# Altium PCB icaRUSv0.2.PcbDoc (part 2 of 2) (continued)
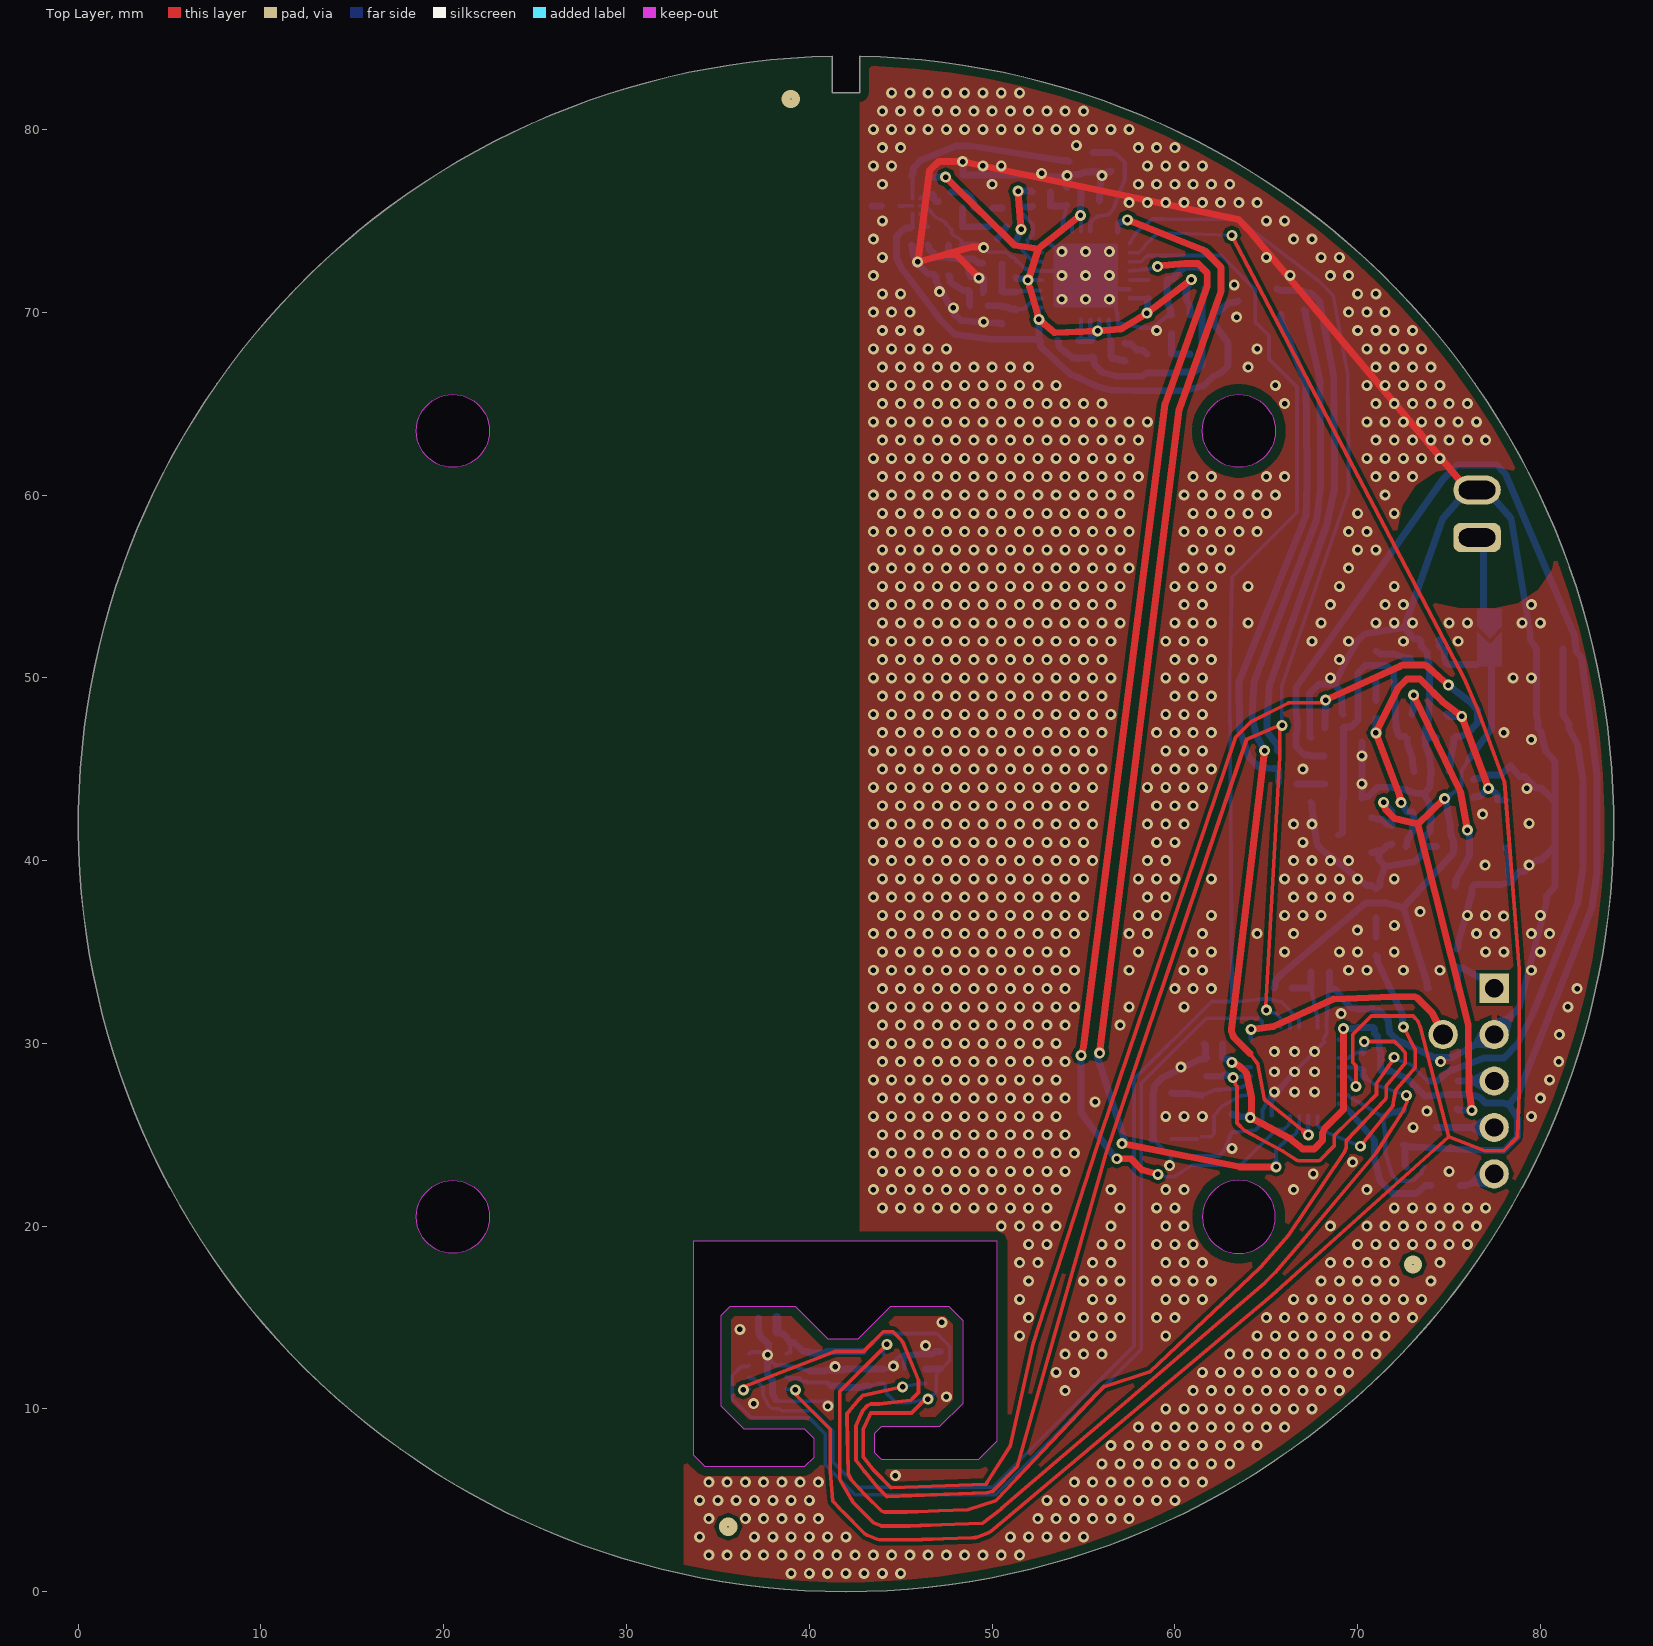
[diagram p0: Top Layer view]
## Nets (pads, with @x,y where several pads share a name; then routed paths per layer and width w, separated by ;. In a path a pad name is that pad's centre, name@x,y a point inside that pad or via, vN(x,y) a via of type N, cw(c..) or ccw(c..) an arc to the next point about the centre after c; other vN are vias at no path point) (continued)
  Bottom Layer w0.2: DD1.26@67.798,26.048 67.798,25.516 68.091,25.223 v1(70.145,24.372)
  Bottom Layer w0.381: R6.2@71,34.806 71.085,34.746 71.085,34.477 72.415,31.666 72.42,31.654 72.459,31.615 72.459,30.938 v1(72.501,30.896)
NetC17_2: C17.2 DA1.5 ZQ1.4 | length 2.1
  Bottom Layer w0.381: C17.2@59.817,68.842 59.817,68.782 59.817,68.592 59.817,68.125 59.817,67.934 ZQ1.4@59.817,67.725 60.102,67.708 60.292,67.708 60.633,67.708 60.824,67.708 DA1.5@60.833,67.691
NetC24_1: C24.1 ZQ1.3 | length 1.4
  Bottom Layer w0.381: C24.1@57.277,68.318 57.336,68.258 57.527,68.258 57.606,68.258 57.717,68.147 57.801,68.046 57.913,67.934 57.992,67.934 58.182,67.934 ZQ1.3@58.467,67.725
NetC24_2: C24.2 D1.18 R2.1 R3.2 | length 3
  Bottom Layer w0.229: D1.18@56.368,69.609 56.379,69.598 56.379,69.322 56.388,69.312 56.388,68.572 R2.1@56.507,68.453
  Bottom Layer w0.381: R2.1@56.507,68.453 56.507,68.368 56.507,68.178 56.507,67.839 56.507,67.649 R3.2@56.507,67.564 56.567,67.479 56.757,67.479 56.836,67.479 56.948,67.378 57.027,67.378 57.217,67.378 C24.2@57.277,67.318
NetC25_2: C25.2 D1.13 | length 1
  Bottom Layer w0.229: D1.13@57.518,71.759 57.868,71.759 58.305,71.759 58.419,71.759 C25.2@58.555,71.755
NetC27_1: C27.1 C31.2 D1.27 L4.1 L9.1 | length 3.7
  Bottom Layer w0.22: C27.1@51.558,71.148 52.23,71.148 52.276,71.194 D1.27@52.652,71.194
  Bottom Layer w0.229: C27.1@51.308,71.112 51.444,71.148 C27.1@51.558,71.148
  Bottom Layer w0.381: L9.1@50.538,72.644 L4.1@50.538,71.12 50.598,71.116 51.248,71.116 C27.1@51.308,71.112
NetC27_2: C27.2 C30.1 D1.26 L5.2 | length 3.3
  Bottom Layer w0.229: C27.2@51.308,70.112 51.37,70.174 51.759,70.174 52.054,70.469 52.054,70.478 52.274,70.698 52.381,70.698 52.431,70.748 52.707,70.748 D1.26@52.718,70.759
  Bottom Layer w0.381: C30.1@49.776,70.358 49.836,70.354 50.026,70.354 50.296,70.354 50.487,70.354 L5.2@50.546,70.35 50.606,70.29 50.796,70.29 50.873,70.285 50.981,70.177 51.058,70.172 51.248,70.172 C27.2@51.308,70.112
NetC29_1: C29.1 D1.31 L6.1 | length 4
  Bottom Layer w0.2: 51.943,73.956 51.943,73.666 52.326,73.283 52.35,73.269 D1.31@52.368,73.259
  Bottom Layer w0.229: C29.1@51.554,75.692 51.614,75.556 51.614,75.442 52.241,74.807 52.241,74.263 51.943,73.956 ; D1.31@52.368,73.259 D1.31@52.718,73.259
  Bottom Layer w0.381: C29.1@51.554,75.692 51.614,75.752 51.804,75.752 51.947,75.76 52.138,75.76 L6.1@52.197,75.819
NetC29_2: C29.2 L8.1 | length 0.5
  Bottom Layer w0.381: L8.1@50.03,75.692 50.09,75.692 50.28,75.692 50.304,75.692 50.494,75.692 C29.2@50.554,75.692
NetC30_2: C30.2 C33.1 L10.2 | length 2.4
  Bottom Layer w0.381: C33.1@47.625,72.017 47.685,71.957 47.685,71.767 47.685,71.688 47.796,71.576 48.439,71.188 48.518,71.188 48.708,71.188 48.768,71.128 48.772,71.068 48.772,70.878 48.772,70.608 48.772,70.418 C30.2@48.776,70.358
NetC32_1: C32.1 D1.30 L7.2 | length 6.9
  Top Layer w0.381: v1@51.322,76.569 51.439,76.36 v1@51.522,76.585 ; v1(51.418,76.623) v1(51.583,74.535) ; v1@51.48,74.573 51.563,74.798 v1@51.679,74.588
  Bottom Layer w0.2: C32.1@51.36,73.91 51.36,73.8 51.36,73.718 51.543,73.5 52.075,72.937 52.193,72.82 52.275,72.82 52.432,72.82 52.482,72.77 D1.30@52.707,72.77
  Bottom Layer w0.229: D1.30@52.707,72.77 D1.30@52.718,72.759
  Bottom Layer w0.381: C32.1@51.36,73.989 51.471,74.248 51.471,74.255 v1(51.583,74.535) ; v1(51.418,76.623) 51.947,76.623 52.138,76.623 L7.2@52.197,76.581 ; v1@51.464,76.523 51.682,76.623 v1@51.464,76.723
NetC32_2: C32.2 L11.1 | length 0.9
  Bottom Layer w0.2: C32.2@50.36,73.91 C32.2@50.36,73.989
  Bottom Layer w0.381: C32.2@50.292,74.041 50.621,74.37 50.621,74.505 L11.1@50.792,74.676
NetC33_2: C33.2 C35.2 C38.1 C40.1 L9.2 | length 4.3
  Bottom Layer w0.2: L9.2@49.478,72.704 L9.2@49.538,72.644
  Bottom Layer w0.381: C40.1@46.482,73.668 46.542,73.608 46.542,73.418 46.652,73.362 46.693,73.323 46.803,73.267 46.803,73.077 C38.1@46.863,73.017 46.922,73.017 47.113,73.017 47.375,73.017 47.566,73.017 C33.2@47.625,73.017 ; C35.2@47.625,73.668 47.625,73.608 47.625,73.418 47.625,73.267 47.625,73.077 C33.2@47.625,73.017 ; L9.2@49.478,72.704 49.288,72.704 49.216,72.721 49.176,72.76 49.07,72.842 48.974,72.902 48.111,72.902 47.954,72.957 47.875,72.957 47.685,72.957 C33.2@47.625,73.017
NetC34_2: C34.2 L8.2 L12.1 | length 1.9
  Bottom Layer w0.381: L12.1@47.744,76.581 47.748,76.585 48.383,76.585 C34.2@48.387,76.589 ; C34.2@48.387,76.581 48.438,76.53 48.581,76.53 48.789,76.322 48.83,76.279 48.854,76.235 48.97,76.021 48.97,75.942 48.97,75.752 L8.2@49.03,75.692
NetC36_1: C36.1 C37.1 L11.2 L13.2 | length 2.4
  Bottom Layer w0.381: C37.1@48.379,75.692 48.383,75.633 48.383,75.442 48.383,74.926 48.383,74.735 L13.2@48.387,74.676 48.446,74.676 48.637,74.676 48.899,74.676 49.09,74.676 C36.1@49.149,74.676 49.208,74.676 49.399,74.676 49.542,74.676 49.732,74.676 L11.2@49.792,74.676
NetC37_2: C37.2 DA2.1 L12.2 | length 1.3
  Bottom Layer w0.2: DA2.1@46.047,76.219 46.259,76.431 46.594,76.431 46.609,76.446 L12.2@46.609,76.581
  Bottom Layer w0.381: L12.2@46.744,76.454 46.804,76.395 46.804,76.204 46.854,76.146 46.936,76.064 ; C37.2@47.052,76.064 47.072,76.081
NetC40_2: C40.2 DA2.3 | length 0.9
  Bottom Layer w0.2: DA2.3@46.047,75.419 46.047,75.366 46.24,75.17
  Bottom Layer w0.229: 46.24,75.17 46.355,75.055 46.355,74.795 C40.2@46.482,74.668
NetC46_1: C46.1 DA2.5 | length 0.7
  Bottom Layer w0.2: 45.2,75.819 45.547,75.819 DA2.5@45.647,75.819
  Bottom Layer w0.229: C46.1@44.95,75.819 45.086,75.819 45.2,75.819
NetC46_2: C46.2 C58.1 | length 0.6
  Bottom Layer w0.381: C58.1@43.434,75.819 C46.2@43.815,75.819 ; C46.2@43.89,75.819 C46.2@43.815,75.819 ; C46.2@43.95,75.819 C46.2@43.815,75.819
NetC48_1: C48.1 R11.2 VT2.1 | length 28.1
  Bottom Layer w0.381: VT2.1@65.591,71.262 65.801,71.179 65.991,71.179 66.781,71.179 66.971,71.179 R11.2@67.056,71.12 67.141,71.061 67.331,71.061 67.41,71.061 67.568,70.941 67.903,70.607 68.691,66.479 68.739,61.806 68.739,60.331 68.294,58.335 65.205,49.717 65.184,49.631 65.039,47.737 65.039,47.054 65.599,46.31 65.599,46.216 65.599,46.026 C48.1@65.659,45.966
NetC48_2: C48.2 R12.2 VT2.2 | length 27.8
  Bottom Layer w0.381: R12.2@65.667,44.281 65.667,44.906 C48.2@65.659,44.966 65.599,45.026 65.33,45.026 64.542,45.15 64.1,45.592 64.056,45.636 64.032,45.671 63.545,47.116 63.525,47.174 63.5,49.75 63.529,49.82 67.167,58.851 67.215,60.719 67.215,61.432 67.167,66.106 65.801,69.608 VT2.2@65.801,69.878
NetC56_2: C56.2 DD1.15 R1.1 R7.2 | length 4.1
  Bottom Layer w0.229: R7.2@67.445,33.02 67.505,32.859 67.505,32.745 67.798,31.38 67.798,31.173 DD1.15@67.798,30.848
  Bottom Layer w0.381: R1.1@66.413,33.02 66.473,33.02 66.663,33.02 67.195,33.02 67.385,33.02 R7.2@67.445,33.02 67.445,33.105 67.445,33.295 67.445,33.659 67.445,33.85 C56.2@67.445,33.909
NetC57_2: C57.2 VD1.1 X1.1 | length 3.6
  Bottom Layer w0.381: VD1.1@75.476,33.02 75.457,33.039 75.457,33.23 75.457,33.921 75.457,34.111 C57.2@75.438,34.171 75.497,34.111 75.688,34.111 75.767,34.111 76.591,33.63 76.67,33.63 76.86,33.63 X1.1@77.47,33.02
NetGB1_1: GB1.1 SB1.1 | length 4.6
  Bottom Layer w0.381: GB1.1@76.529,57.675 76.873,57.065 76.873,56.875 76.873,53.865 76.873,53.675 SB1.1@77.216,53.34
NetHL1_1: HL1.1 R6.1 | length 1.1
  Bottom Layer w0.381: R6.1@71,35.806 71,35.866 71,36.056 71,36.517 71,36.708 HL1.1@71,36.867
NetHL2_1: HL2.1 R4.2 | length 1.1
  Bottom Layer w0.381: R4.2@71,48.76 71,48.82 71,49.01 71,49.523 71,49.713 HL2.1@71,49.873
NetHL2_2: HL2.2 U3.1 | length 2.3
  Bottom Layer w0.381: HL2.2@71,51.473 71.21,51.313 71.4,51.313 71.93,51.313 72.585,51.088 72.664,51.088 72.854,51.088 U3.1@72.964,50.778
NetR5_1: R5.1 U3.5 | length 14.3
  Top Layer w0.381: v1@72.987,48.972 73.172,48.819 v1@73.167,49.059 ; v1(73.057,49.057) 75.624,43.751 v1(76.003,41.661) ; v1@75.896,41.688 75.956,41.921 v1@76.093,41.724
  Bottom Layer w0.381: v1@72.957,49.011 73.057,48.793 v1@73.157,49.011 ; U3.5@72.964,48.028 73.057,48.338 73.057,48.528 v1(73.057,49.057) ; R5.1@75.319,38.608 75.379,38.693 75.379,38.883 75.379,38.962 76.125,40.28 76.125,40.754 76.125,41.254 v1(76.003,41.661) ; v1@75.92,41.588 76.078,41.408 v1@76.112,41.645
NetR13_1: R13.1 VT3.3 X1.4 | length 5.4
  Bottom Layer w0.381: VT3.3@74.306,25.4 74.715,25.404 74.906,25.404 75.163,25.404 75.353,25.404 R13.1@75.438,25.408 75.523,25.4 75.713,25.4 X1.4@77.47,25.4 ; X1.4@77.174,24.867 76.213,25.4 X1.4@77.174,25.933
NetVD2_2: VD2.2 X1.3 | length 4.2
  Bottom Layer w0.381: VD2.2@75.476,27.94 75.751,27.94 X1.3@77.47,27.94 ; X1.3@77.174,27.407 76.213,27.94 X1.3@77.174,28.473
NetVD3_2: VD3.2 X1.5 | length 4.2
  Bottom Layer w0.381: VD3.2@75.603,22.225 75.878,22.225 75.957,22.244 X1.5@77.47,22.86 ; X1.5@76.995,23.242 76.306,22.386 X1.5@77.397,22.255
NRST: C39.1 DD1.4 R9.2 SW1.2_1 SW1.2_2 VD2.1 | length 48.6
  Top Layer w0.2: v1(63.183,28.128) 63.183,28.069 63.295,27.956 63.295,27.744 63.397,27.643 63.397,25.643 63.822,25.218 65.891,24.108 66.696,23.597 66.75,23.574 67.865,23.574 67.919,23.597 68.704,24.381 68.726,24.435 68.726,24.93 68.748,24.984 69.533,25.769 70.356,26.529 71.031,27.204 71.031,27.8 71.973,29.159 72.136,29.321 72.055,29.24 v1(71.989,29.24)
  Bottom Layer w0.2: R9.2@62.696,28.262 R9.2@62.857,28.262 ; v1(71.989,29.24) 72.009,29.24 72.136,29.367 71.966,29.198 72.927,28.823 73.701,28.05 73.766,28.05 VD2.1@73.876,27.94 VD2.1@73.914,27.94
  Bottom Layer w0.229: v1(63.183,28.128) 63.33,28.122 63.347,28.126 63.616,28.198 DD1.4@64.148,28.198
  Bottom Layer w0.381: C39.1@61.722,28.202 R9.2@62.611,28.202 R9.2@62.696,28.262 ; R9.2@62.857,28.262 v1(63.183,28.128) ; VD2.1@73.914,27.94 74.333,27.94 74.957,28.446 75.052,28.54 75.179,28.54 75.244,28.565 76.944,29.21 77.996,29.21 78.74,29.954 79.594,31.657 79.604,31.679 82.021,37.638 82.321,39.613 82.321,44.387 82.021,46.362 81.559,47.205 81.559,47.474 81.225,47.984 SW1.2_1@81.225,51.584
OSC32_IN: C49.1 DD1.2 ZQ2.1 | length 5.5
  Bottom Layer w0.203: C49.1@59.809,24.765 ZQ2.1@61.214,24.765 ; ZQ2.1@61.468,24.892 61.979,24.892 62.141,25.055 62.141,26.031 62.58,26.556 62.604,26.585 63.572,27.114 63.608,27.119 DD1.2@64.148,27.198
OSC32_OUT: C50.1 DD1.3 ZQ2.3 | length 4.5
  Bottom Layer w0.229: ZQ2.3@61.468,27.158 62.254,27.467 62.368,27.467 62.537,27.467 62.774,27.497 63.148,27.51 63.15,27.511 ccw(c63.092,29.02) 63.822,27.698 DD1.3@64.148,27.698
  Bottom Layer w0.381: C50.1@59.809,27.305 59.869,27.246 60.059,27.246 60.568,27.246 60.758,27.246 ZQ2.3@61.468,27.158
RX_EN: C26.2 D1.5 VT1.1 | length 6.6
  Bottom Layer w0.229: D1.5@55.368,74.409 55.368,74.759 55.384,74.908 55.594,75.118 55.788,75.254 56.327,75.328 56.617,75.618 57.26,77.277 57.26,77.687 57.26,78.187 56.97,78.477 56.765,78.672 56.651,78.672 C26.2@56.515,78.732
  Bottom Layer w0.381: VT1.1@55.514,78.732 55.624,78.732 55.814,78.732 56.265,78.732 56.456,78.732 C26.2@56.515,78.732
RX_NEN: DA2.6 R10.1 VT1.3 | length 10.6
  Bottom Layer w0.2: DA2.6@45.647,76.219 45.647,76.319 45.647,77.195
  Bottom Layer w0.229: R10.1@45.601,77.47 45.647,77.309 45.647,77.195
  Bottom Layer w0.381: R10.1@45.601,77.47 45.661,77.555 45.661,77.745 45.661,77.824 45.779,77.982 46.114,78.317 48.057,79.105 48.779,79.105 53.835,78.291 53.914,78.291 54.104,78.291 VT1.3@54.214,78.232
SPI1_BME_SEL: DD1.9 U1.2 | length 54
  Bottom Layer w0.203: U1.2@36.694,12.39 36.621,12.317 36.294,12.317 35.789,11.811 35.789,10.566 36.855,9.5 40.004,9.5 40.869,8.635 40.869,6.948 42.505,5.312 50.205,5.312 58.166,13.273 58.166,27.813 61.722,31.369 64.603,31.369 64.77,31.202 DD1.9@64.77,31.115
SPI1_MISO: D1.10 DD1.21 U1.5 | length 128.8
  Top Layer w0.2: v1(39.236,11.045) 39.334,10.948 v1@39.334,10.776 ; v1@39.263,10.776 41.088,8.95 41.148,8.89 41.148,6.588 41.148,6.585 41.149,6.581 41.291,4.96 41.797,4.411 41.81,4.397 43.032,3.175 43.151,3.104 43.71,2.872 43.844,2.839 45.581,2.839 46.183,2.86 47.323,2.902 48.911,2.959 49.085,2.965 49.105,2.966 49.239,3 49.799,3.232 49.917,3.303 65.296,16.202 74.981,24.889 ; v1(63.111,74.204) 75.837,49.958 76.565,48.25 78.027,44.315 78.842,34.057 78.842,27.392 78.74,24.874 77.996,24.13 76.944,24.13 74.981,24.889 ; v1(69.905,27.65) 69.905,28.774 69.723,28.956 69.723,30.48 70.739,31.496 73.025,31.496 73.084,31.437 73.279,31.242 73.408,30.93 73.412,30.916 74.981,24.889
  Bottom Layer w0.2: U1.5@38.744,11.09 v1(39.236,11.045) ; D1.10@57.518,73.259 58.023,73.259 58.243,73.479 58.315,73.574 58.385,73.681 58.742,74.038 58.767,74.063 58.946,74.218 59.043,74.3 59.077,74.334 59.084,74.338 59.136,74.338 v1(63.111,74.204) ; v1@63.062,74.106 62.847,74.213 v1@63.068,74.306 ; DD1.21@68.948,28.198 69.48,28.198 v1@69.773,27.905 ; v1@69.715,27.739 v1@69.773,27.905 ; v1(69.905,27.65) 69.905,27.655 69.878,27.682 v1@69.773,27.905 ; v1@69.938,27.844 v1@69.773,27.905
SPI1_MOSI: D1.11 DD1.13 U1.3 | length 103.5
  Bottom Layer w0.203: U1.3@36.694,11.74 36.767,11.667 36.969,11.667 37.069,11.567 37.405,11.23 37.465,11.171 37.465,10.766 37.748,10.214 37.771,10.191 37.947,10.015 38.372,10.015 38.431,9.956 38.484,9.903 40.171,9.903 41.272,8.802 41.272,7.115 42.672,5.715 50.038,5.715 57.763,13.44 57.763,28.045 62.01,32.292 63.119,32.292 ; D1.11@57.518,72.759 58.154,72.759 58.494,73.099 62.537,73.099 64.389,71.247 64.389,69.47 64.643,69.216 ; 64.643,69.215 65.151,68.707 65.151,67.437 66.675,65.913 66.675,59.055 63.179,55.559 63.119,55.499 63.008,49.954 63.008,49.546 63.119,32.58 63.119,32.292 ; DD1.13@66.798,30.848 66.789,30.857 66.789,31.285 65.814,32.261 65.755,32.269 65.25,32.422 64.752,32.422 63.533,32.292 63.246,32.292 63.119,32.292
SPI1_NSS: D1.12 DD1.29 | length 65.7
  Top Layer w0.381: v1(54.864,29.337) 54.939,29.589 55.009,29.825 59.465,64.993 61.77,71.421 61.77,72.144 61.259,72.655 60.537,72.655 59.055,72.517 v1(59.055,72.498) ; v1(56.824,23.687) 57.593,23.687 58.197,23.083 v1(59.063,22.838)
  Bottom Layer w0.2: v1(59.063,22.838) 59.218,22.819 59.316,22.765 59.462,22.707 59.959,22.707 60.943,23.339 63.448,23.339 63.737,23.478 65.556,25.298 65.974,25.298 66.223,25.547 66.223,25.634 66.298,25.709 DD1.29@66.298,26.048
  Bottom Layer w0.203: D1.12@57.518,72.259 57.766,72.282 57.91,72.282 58.189,72.321
  Bottom Layer w0.229: 58.189,72.321 58.992,72.451 v1(59.055,72.498)
  Bottom Layer w0.381: v1@54.864,29.326 54.864,26.331 54.864,26.203 54.941,26.102 56.755,23.697 v1(56.824,23.687)
SPI1_SCK: D1.9 DD1.11 U1.4 | length 128.6
  Top Layer w0.203: v1(36.39,11.047) 36.39,11.088 36.296,11.182 36.412,11.226 41.359,13.119 41.425,13.144 42.961,13.144 44.041,14.224 44.577,14.224 45.018,13.783 45.101,13.66 45.972,11.567 45.972,10.902 45.643,10.573 45.55,10.48 43.81,10.271 43.527,10.271 43.358,10.271 43.187,10.182 42.951,9.946 42.819,9.685 42.548,9.056 42.548,7.2 43.015,6.58 43.746,5.697 43.755,5.688 43.765,5.678 44.114,5.328 44.231,5.211 49.715,5.41 49.72,5.41 50.022,5.49 51.38,6.849 56.22,23.926 56.221,23.931 63.916,46.622 63.999,46.658 v1@65.736,47.411 ; v1(65.001,31.82) 64.967,32.029 65.728,45.68 v1@65.736,47.411 ; v1(65.863,47.396) v1@65.736,47.411
  Bottom Layer w0.203: v1(36.39,11.047) v1@36.39,11.068 ; D1.9@57.518,73.759 57.537,73.77 57.851,74.332 57.88,74.356 58.77,75.095 59.398,75.095 59.449,75.095 63.472,75.076 67.894,71.694 68.655,70.933 68.665,70.911 69.453,66.58 69.501,61.906 69.501,60.169 69.468,60.035 65.85,49.537 65.85,48.032 v1@65.858,47.66 ; v1(65.001,31.82) 65.205,31.681 65.398,31.676 65.556,31.608 65.794,31.37 65.794,30.852 DD1.11@65.798,30.848 ; v1@65.762,47.439 v1@65.858,47.66 ; v1(65.863,47.396) 65.862,47.441 v1@65.858,47.66 ; v1@65.962,47.444 v1@65.858,47.66
  Bottom Layer w0.229: v1@36.444,11.132 36.558,11.132 U1.4@36.694,11.09
SWCLK: DD1.24 VD3.1 | length 9.1
  Bottom Layer w0.229: DD1.24@68.948,26.698 69.273,26.698 69.532,26.327 ; 69.636,26.177 69.532,26.327 ; 69.532,26.327 69.561,26.163 69.532,26.327 ; 69.532,26.327 69.675,26.243 69.532,26.327
  Bottom Layer w0.381: 69.636,26.177 70.919,24.693 70.919,23.741 71.221,22.477 71.913,21.785 72.222,21.785 73.201,21.785 73.343,21.902 73.649,22.206 73.714,22.212 73.728,22.225 VD3.1@74.003,22.225
SWDIO: DD1.23 R8.1 VT3.2 | length 10.2
  Bottom Layer w0.229: DD1.23@68.948,27.198 69.273,27.198 69.469,27.172 69.61,27.033 69.927,26.852 71.241,26.061 ; 71.406,26.042 71.241,26.061 ; 71.469,25.942 71.416,25.784 ; R8.1@73.652,23.241 73.516,23.08 73.516,22.966 73.516,22.919 73.449,22.852 73.389,22.833 73.083,22.529 72.917,22.471 72.506,22.471 72.197,22.471 71.907,22.761 71.508,23.985 71.508,24.919 71.416,25.784 ; 71.241,26.061 71.359,25.994 71.378,25.975 71.397,25.966 71.4,25.956 71.4,25.913 71.416,25.784 ; 71.241,26.061 71.332,25.927 71.416,25.784
  Bottom Layer w0.381: 71.397,25.966 71.43,25.984 71.446,26 71.906,26.241 72.097,26.241 VT3.2@72.506,26.35
USART_RX_TX: DD1.8 J1.1 | length 12.5
  Top Layer w0.381: v1(64.173,30.767) 65.384,30.925 68.536,32.36 68.669,32.415 71.9,32.551 73.101,32.551 73.234,32.496 74.08,31.651 J1.1@74.676,30.48
  Bottom Layer w0.229: DD1.8@64.148,30.198 v1(64.173,30.767)
VBAT: C4.2 C51.1 C54.1 R1.2 R13.2 SB1.2 U3.3 U4.4 VD1.2 VR1.1 | length 61.2
  Top Layer w0.381: v1@71.331,43.112 71.48,42.924 v1@71.526,43.16 ; v1(71.418,43.181) 71.507,42.811 72.018,42.301 73.291,41.999 ; v1@74.649,43.43 74.56,43.208 v1@74.787,43.286 ; v1(74.752,43.39) 73.291,41.999 ; v1@76.14,26.368 76.209,26.598 v1@76.338,26.396 ; v1(76.246,26.337) 76.098,27.392 76.048,31.028 73.291,41.999
  Bottom Layer w0.229: v1@74.72,43.573 75.121,43.642 v1@74.911,43.293 ; v1(74.752,43.39) 75.434,43.855 75.672,44.093 75.671,44.86 75.987,45.417 ; 76.098,45.562 75.987,45.417 ; 75.987,45.417 76.134,45.495 75.987,45.417 ; 75.987,45.417 76.023,45.579 75.987,45.417
  Bottom Layer w0.381: R1.2@65.413,33.02 65.473,33.105 65.473,33.295 65.473,33.374 65.591,33.532 65.926,33.867 70.414,37.667 70.787,37.667 71.586,37.667 72.488,37.434 ; VR1.1@70.75,42.352 71.159,42.243 71.35,42.243 71.408,42.193 71.491,42.11 71.491,42.102 71.574,42.019 71.632,41.969 C51.1@71.823,41.969 ; v1@71.375,43.079 71.596,42.986 v1@71.522,43.214 ; v1(71.418,43.181) 71.687,42.886 71.887,42.684 71.887,42.239 71.823,42.16 C51.1@71.823,41.969 ; VD1.2@73.876,33.02 73.792,33.039 73.792,33.23 73.792,33.309 72.488,37.434 ; C4.2@74.414,52.07 74.474,52.01 74.474,51.82 74.474,51.741 74.724,51.489 74.755,51.357 74.755,51.278 74.755,51.088 U3.3@74.864,50.778 74.974,50.719 75.164,50.719 SB1.2@76.541,50.719 ; v1@74.672,43.314 74.838,43.14 v1@74.861,43.379 ; v1(74.752,43.39) 74.906,42.94 74.906,42.861 74.906,42.67 U4.4@74.991,42.261 75.075,41.852 75.075,41.661 75.075,41.582 75.131,41.3 75.243,41.096 75.243,41.017 75.243,40.827 C54.1@75.303,40.767 75.243,40.708 75.243,40.517 75.243,40.438 75.125,40.28 72.488,37.434 ; R13.2@75.438,26.408 75.523,26.348 75.713,26.348 75.792,26.348 v1(76.246,26.337) ; 76.098,45.562 77.271,47.155 77.327,47.288 77.327,50.54 77.327,50.731 SB1.2@77.216,51.065 ; v1@76.197,26.238 75.982,26.344 v1@76.202,26.438 ; C51.1@71.823,41.969 C51.1@71.882,41.91 ; C51.1@71.823,41.969 C51.1@71.882,41.91 ; C51.1@71.823,41.969 C51.1@71.882,41.91
VCC: C1.1 C3.2 C8.2 C52.1 L1.1 L2.1 L3.1 U4.1 VR1.3 | length 17.7
  Bottom Layer w0.381: VR1.3@68.95,41.402 69.163,41.511 69.163,41.702 69.163,43.184 69.163,43.374 C1.1@69.223,43.434 69.215,43.493 69.215,43.684 69.215,43.946 69.215,44.137 L3.1@69.207,44.196 69.215,44.256 69.215,44.446 69.215,44.708 69.215,44.899 C8.2@69.223,44.958 69.215,45.018 69.215,45.208 69.215,45.47 69.215,45.661 L2.1@69.207,45.72 69.215,45.78 69.215,45.97 69.215,46.232 69.215,46.423 C3.2@69.223,46.482 69.215,46.542 69.215,46.732 69.215,46.994 69.215,47.185 L1.1@69.207,47.244 69.267,47.304 69.457,47.304 69.644,47.304 69.909,47.569 70.029,47.71 70.029,50.269 70.15,50.409 70.414,50.673 70.787,50.673 71.586,50.673 71.85,50.409 71.972,50.269 72.092,47.291 72.211,46.907 72.323,46.795 72.402,46.795 72.592,46.795 C52.1@72.652,46.736 72.712,46.676 72.712,46.486 72.712,46.407 73.007,45.54 73.007,45.461 73.007,45.27 U4.1@73.091,44.861
VCC_RADIO: C23.2 L3.2 R12.1 | length 1.5
  Bottom Layer w0.381: R12.1@66.675,44.196 66.734,44.192 66.925,44.192 67.187,44.192 67.378,44.192 C23.2@67.437,44.188 67.497,44.192 67.687,44.192 67.957,44.192 68.147,44.192 L3.2@68.207,44.196
VCCA: C6.2 C7.1 C9.2 C11.1 C13.2 C14.1 C16.1 C18.2 C20.2 C22.1 L1.2 U1.6 U1.8 U2.1 U2.5 U4.3 | length 103.5
  Top Layer w0.203: v1(46.482,10.541) 46.355,10.541 45.593,9.779 43.354,9.779 43.3,9.66 42.951,8.889 42.951,7.367 43.537,6.628 44.472,5.693 49.666,5.881 49.724,5.971 50.99,7.966 52.246,13.604 56.025,25.238 56.406,26.381 63.27,46.622 63.325,46.755 64.17,47.6 66.205,48.62 66.248,48.641 v1@68.072,48.641
  Top Layer w0.381: v1(68.246,48.784) 68.487,48.894 72.324,50.635 72.457,50.691 73.658,50.691 73.791,50.635 74.767,49.772 v1(74.965,49.597)
  Bottom Layer w0.2: 42.926,13.081 42.949,13.081 43.645,13.778 43.997,14.129 46.971,14.129 47.675,13.425 47.675,12.631 47.196,12.153 C20.2@47.117,12.073
  Bottom Layer w0.203: 43.255,11.244 43.708,11.383 43.787,11.392 U2.1@44.062,11.392 44.147,11.382 44.147,11.113 44.228,10.845 44.627,10.446 44.739,10.334 45.461,10.334 v1(46.482,10.541) 46.557,10.541 46.897,10.88 46.897,10.917 46.939,10.959 46.939,11.806 46.968,11.836 46.968,11.925 C20.2@47.117,12.073
  Bottom Layer w0.229: U1.6@38.744,11.74 38.88,11.679 39.469,11.679 39.64,11.509 39.84,11.509 39.908,11.453 40.871,11.453 40.893,11.431 41.012,11.431 C13.2@41.148,11.295 ; U1.8@38.744,13.04 38.966,13.101 38.966,13.451 38.896,13.602
  Bottom Layer w0.381: C11.1@38.219,14.224 38.278,14.165 38.434,14.165 38.502,14.097 38.587,14.097 38.716,13.969 38.754,13.924 38.966,13.634 39.168,13.634 39.676,13.133 39.946,13.133 C6.2@40.005,13.073 C18.2@40.894,13.073 40.954,13.133 42.978,13.133 ; C13.2@41.148,11.295 41.196,11.247 41.847,11.247 C22.1@41.91,11.184 C14.1@42.926,11.184 42.986,11.244 43.255,11.244 ; U2.5@46.362,12.192 C20.2@47.184,12.192 ; v1@68.146,48.739 v1@68.246,48.52 ; L1.2@68.207,47.244 C7.1@68.207,48.006 68.246,48.065 v1@68.246,48.52 ; v1(68.246,48.784) v1@68.246,48.52 ; v1@68.346,48.739 v1@68.246,48.52 ; v1@74.941,49.49 75.175,49.436 v1@75.062,49.648 ; v1(74.965,49.597) 76.054,48.761 76.565,48.25 76.565,47.528 76.054,47.017 75.632,46.795 75.363,46.795 C9.2@75.303,46.736 75.243,46.676 75.243,46.407 75.075,45.54 75.075,45.27 U4.3@74.991,44.861
  Bottom Layer w0.508: C16.1@38.219,14.986 38.227,14.978 C11.1@38.227,14.224
VDD: C41.1 C42.1 C43.1 C44.1 C45.1 DD1.1 DD1.5 DD1.17 L2.2 R8.2 R9.1 R14.1 R15.1 VT3.1 | length 102.3
  Top Layer w0.381: v1(63.119,28.956) 63.265,28.956 63.241,28.913 63.52,28.767 63.913,28.374 64.186,27.057 v1@64.186,26.2 ; v1@64.036,26.013 v1@64.186,26.2 ; v1(64.122,25.944) v1@64.186,26.2 ; v1@64.355,25.82 66.26,24.812 66.991,24.229 67.624,24.229 68.072,24.676 68.072,25.06 68.194,25.355 69.215,26.376 69.215,30.667 69.223,30.675 v1(69.223,30.812)
  Bottom Layer w0.229: v1(63.119,28.956) 63.398,28.956 63.569,28.785 ; v1@63.187,28.907 63.572,28.779 63.569,28.785 ; v1@63.953,26.021 64.122,26.391 ; v1(64.122,25.944) 64.122,26.391 ; DD1.1@64.148,26.698 64.122,26.698 64.122,26.391 ; DD1.5@64.148,28.698 63.823,28.698 63.685,28.727 63.628,28.727 63.569,28.785 ; v1@64.291,26.021 64.122,26.391 ; DD1.17@68.948,30.198 69.169,30.198 v1@69.169,30.685
  Bottom Layer w0.381: C44.1@62.603,29.972 62.607,29.913 62.607,29.262 R9.1@62.611,29.202 62.696,29.142 62.965,29.142 63.154,29.003 v1@63.155,29.002 ; C41.1@63.119,26.146 63.178,26.087 63.448,26.087 63.535,26.002 v1@63.86,25.97 ; v1@64.067,25.849 v1@63.859,25.97 ; v1@64.086,26.048 v1@63.86,25.97 ; v1(64.122,25.944) v1@63.86,25.97 ; L2.2@68.147,45.724 67.497,45.724 C43.1@67.437,45.728 67.378,45.788 67.108,45.788 66.95,45.906 66.616,46.241 66.616,46.905 66.655,47.008 66.676,47.059 66.676,47.732 66.612,48.184 66.612,49.385 66.667,49.518 74.673,60.86 75.444,61.631 75.481,61.647 77.577,61.647 77.614,61.631 78.009,61.236 78.061,61.184 81.851,52.346 81.858,52.291 81.949,51.531 81.964,51.404 82.245,51.115 83.083,44.691 83.083,39.309 82.783,37.334 78.842,27.392 78.826,27.355 78.264,26.652 ; v1(69.223,30.812) 69.254,30.781 69.269,30.781 69.532,30.801 69.648,30.809 69.918,30.809 C42.1@69.977,30.869 C45.1@70.866,30.869 70.926,30.809 70.926,30.619 70.927,30.541 71.072,30.395 71.072,30.357 71.179,29.945 71.179,29.676 R15.1@71.239,29.591 R14.1@71.239,28.575 71.299,28.49 71.787,28.49 72.714,28.077 72.764,28.027 73.668,27.123 73.83,27.123 73.854,27.124 74.941,27.194 76.194,27.194 76.463,27.124 76.509,27.111 76.747,26.98 76.977,26.749 77.892,26.749 77.939,26.737 78.264,26.652 ; R8.2@72.652,23.241 72.592,23.326 72.592,24.34 VT3.1@72.506,24.45 72.916,24.34 73.185,24.34 76.944,24.13 77.996,24.13 78.74,24.874 78.74,25.926 78.264,26.652
pads on no net: D1.1 D1.6 D1.7 D1.16 D1.22 D1.23 D1.24 DA1.4 DD1.6 DD1.7 DD1.10 DD1.12 DD1.14 DD1.18 DD1.22 DD1.25 DD1.30 X2.2 X2.3 X2.4
copper on no net: | length 0.3
  Bottom Layer w0.229: 66.298,30.848 66.298,31.173
  other v2: 35.56,3.556 73.025,17.907 38.989,81.661

## Polygon pours and split planes (outlines as drawn)
GND on Bottom Layer "GND_L02_P002" (solid, pour order 2): 33.132,19.685 33.132,0.946 ccw(c42.006,42.002) 42.756,84 42.756,19.685 41.261,19.685
GND on Bottom Layer "NONET_L-01_P-001" (solid, pour order 4): 3.292,31.759 1.864,41.957 3.294,52.169 7.58,62.373 12.97,68.862 ccw(c12.965,68.867) 12.971,68.862 12.97,68.862 12.971,68.862 ccw(c12.965,68.867) 12.972,68.867 12.972,70.351 23.665,70.351 ccw(c23.665,70.357) 23.672,70.357 23.672,72.429 31.264,76.551 42.459,76.551 42.459,74.964 31.668,74.964 ccw(c31.668,74.957) 31.665,74.963 cw(c31.668,74.957) 31.665,74.963 25.262,71.487 ccw(c25.265,71.481) 25.262,71.487 ccw(c25.265,71.481) 25.259,71.481 25.259,70.357 ccw(c25.265,70.357) 25.265,70.351 42.859,70.351 42.859,66.364 12.972,66.364 ccw(c12.965,66.363) 12.96,66.367 cw(c12.965,66.363) 12.96,66.367 8.952,61.542 cw(c8.957,61.538) 8.952,61.542 ccw(c8.957,61.538) 8.951,61.54 cw(c8.957,61.538) 8.951,61.54 cw(c8.957,61.538) 8.952,61.542 8.951,61.54 4.837,51.746 cw(c4.843,51.743) 4.837,51.746 ccw(c4.843,51.743) 4.837,51.745 4.837,51.744 cw(c4.843,51.743) 4.837,51.745 4.837,51.744 cw(c4.843,51.743) 4.837,51.746 4.837,51.744 3.467,41.958 ccw(c3.473,41.957) 3.466,41.958 3.467,41.958 3.466,41.958 ccw(c3.473,41.957) 3.466,41.957 3.467,41.956 4.838,32.157 4.838,32.156 cw(c4.845,32.157) 4.838,32.157 ccw(c4.845,32.157) 4.839,32.155 7.504,25.146 6.021,24.582
no net on Bottom Solder "NONET_L-01_P-001" (solid): 1.341,41.347 4.963,41.986 8.117,24.101 4.494,23.462
GND on Top Layer "GND_L01_P003" (solid, pour order 3): 33.132,19.685 33.132,0.946 ccw(c42.006,42.002) 42.756,84 42.756,19.685 41.261,19.685

## Silkscreen, mask and mechanical layers (free items; w line width, h text height)
Mechanical 1:
  circle w0.013: c20.5,20.506 r2
  circle w0.013: c63.5,20.506 r2
  circle w0.013: c63.5,63.506 r2
  circle w0.013: c20.5,63.506 r2
  lines w0.013: 41.256,82.006 42.756,82.006 42.756,84 cw(c42.006,42.006) 41.256,84 41.256,82.006
  lines w0.254: 33.655,7.493 34.29,6.858 39.751,6.858 40.259,7.366 40.259,8.382 39.751,8.89 36.449,8.89 35.179,10.16 35.179,15.113 35.687,15.621 39.243,15.621 41.021,13.843 42.672,13.843 44.45,15.621 47.625,15.621 48.387,14.859 48.387,10.287 47.117,9.017 43.942,9.017 43.561,8.636 43.561,7.62 43.942,7.239 49.276,7.239 50.292,8.255 50.292,18.923 50.292,19.177 49.784,19.177 33.655,19.177 33.655,7.493
Mechanical 4:
  lines w0.013: 116.572,74.929 ccw(c116.45,75.057) 116.585,74.943 ; 151.104,85.463 ccw(c151.039,85.627) 151.122,85.471 ; 165.091,84.201 ccw(c165.254,84.268) 165.1,84.184
Mechanical 9:
  lines w0.013: 116.572,74.929 ccw(c116.45,75.057) 116.585,74.943 ; 151.104,85.463 ccw(c151.039,85.627) 151.122,85.471 ; 165.091,84.201 ccw(c165.254,84.268) 165.1,84.184

## Text inside footprints (layer, text, board x,y; h text height)
HL2: Bottom Assembly "K" at 70.75,51.673 h0.5 r270; Bottom Assembly "A" at 70.75,49.34 h0.5 r270